# Altium PCB PCB_AirMeter.PcbDoc (continued)
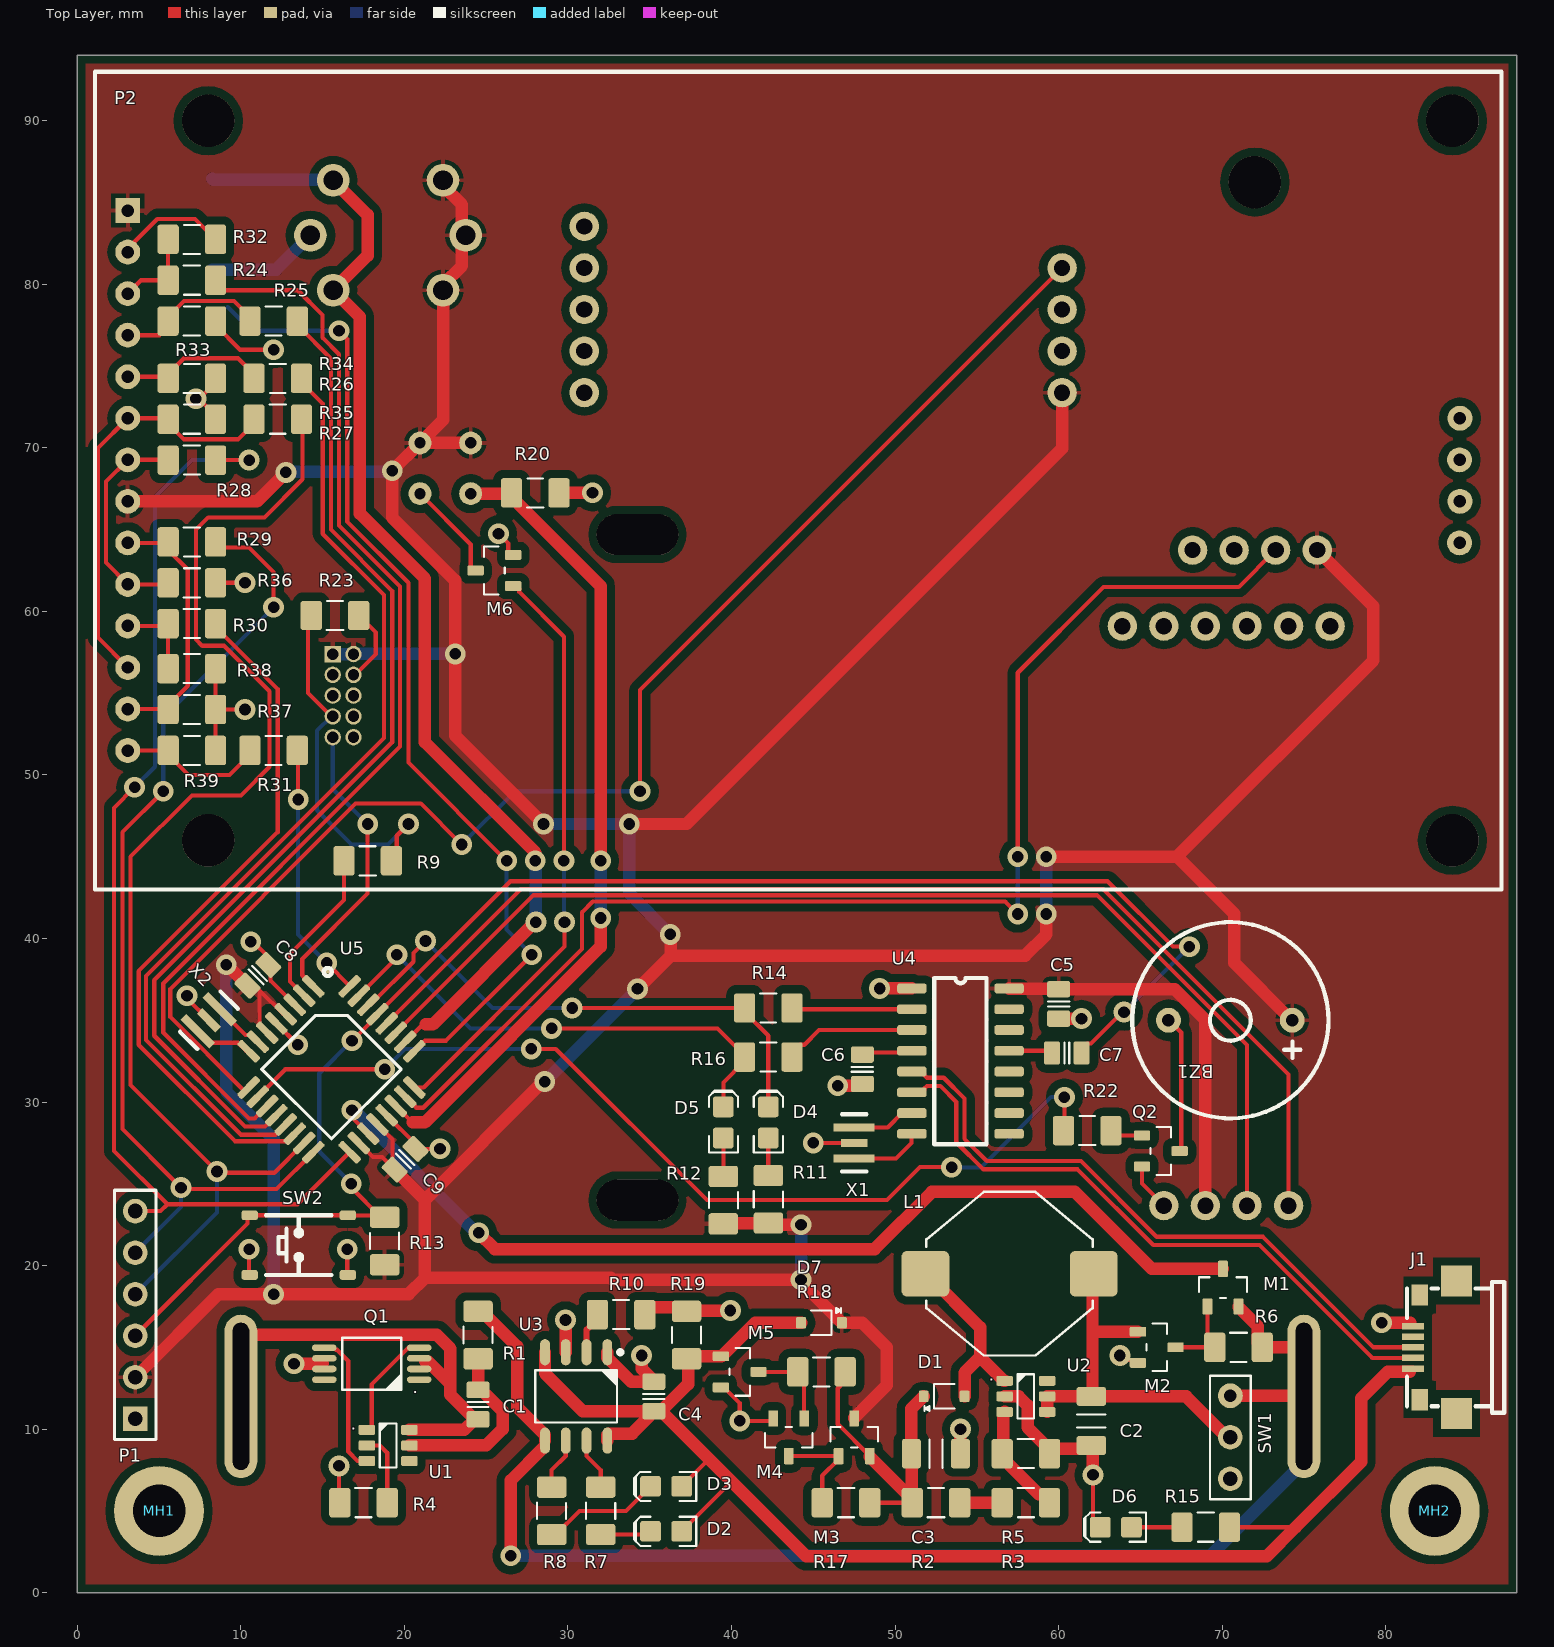
[diagram p0: Top Layer view]
## Footprints (in the part's own frame and the unit in brackets; to place one, negate y for a bottom-side part, rotate by r counter-clockwise, add the part's x,y. Pads: shape width x height; smd on the part's side, far side on the other; paste and mask are expansions set on the pad)
3P_header [mm]
  round 1.5 hole 0.9: 1(0,0) 2(0,2.54)
  round 1.524 hole 0.762: 3(0,5.08)
  silkscreen extent -1.25,-1.25 1.25,6.3
ATMEGA328P-AU [mm]
  rrect50% 1.65x0.45 smd: 1(-4.37,2.8) 2(-4.37,2) 3(-4.37,1.2) 4(-4.37,0.4) 5(-4.37,-0.4) 6(-4.37,-1.2) 7(-4.37,-2) 8(-4.37,-2.8) 17(4.37,-2.8) 18(4.37,-2) 19(4.37,-1.2) 20(4.37,-0.4) 21(4.37,0.4) 22(4.37,1.2) 23(4.37,2) 24(4.37,2.8)
  rrect50% 0.45x1.65 smd: 9(-2.8,-4.37) 10(-2,-4.37) 11(-1.2,-4.37) 12(-0.4,-4.37) 13(0.4,-4.37) 14(1.2,-4.37) 15(2,-4.37) 16(2.8,-4.37) 25(2.8,4.37) 26(2,4.37) 27(1.2,4.37) 28(0.4,4.37) 29(-0.4,4.37) 30(-1.2,4.37) 31(-2,4.37) 32(-2.8,4.37)
  silkscreen extent -4.62,-3.01 3.01,4.3, body extent -4.5,-4.5 4.5,4.5, height 1.01
BAT_18650 [mm]
  oval 10x2 hole 1 slot 9 at 0 deg: 1(0,0) 2(0,-65)
  silkscreen extent -9,-65 9,3, body extent -9.6,-64.85 8.6,0.05, height 18.1
Button_4x4x1.5 [mm]
  rrect50% 1x0.6 smd: 1(-3,1.825) 1(3,1.825) 2(-3,-1.825) 2(3,-1.825)
  silkscreen extent -2,-1.83 2,1.83, body extent -3.2,-2.55 3.2,2.55, height 1.51
BZ_12085 [mil] "Passive Buzzer 12x8.5"
  round 60 hole 30: 1(-149.02,0) 2(149.02,0)
  silkscreen extent -236,-236 236,236, body extent -236,-232 236,240, height 296
CAP_0805 [mm]
  round 0.254 on Mech15: 0(0,0)
  rrect25% 1x1.4 smd: 1(-0.9,0) 2(0.9,0)
  Top Layer pour cut-out: -0.675,0.7 -0.475,0.9 0.475,0.9 0.675,0.7 0.675,-0.7 0.475,-0.9 -0.475,-0.9 -0.675,-0.7
  silkscreen extent -0.15,-0.65 0.15,0.65, body extent -1.1,-0.72 1.1,0.73, height 1.34
CAP_1206 [mm]
  round 0.508 on Mech15: 0(0,0)
  rrect25% 1.15x1.8 smd: 1(-1.5,0) 2(1.5,0)
  silkscreen extent -0.4,-0.88 0.4,0.88, body extent -1.7,-0.9 1.7,0.9, height 1.8
CH340G [mm]
  rrect50% 1.8x0.6 smd: 1(-2.972,4.445) 2(-2.972,3.175) 3(-2.972,1.905) 4(-2.972,0.635) 5(-2.972,-0.635) 6(-2.972,-1.905) 7(-2.972,-3.175) 8(-2.972,-4.445) 9(2.972,-4.445) 10(2.972,-3.175) 11(2.972,-1.905) 12(2.972,-0.635) 13(2.972,0.635) 14(2.972,1.905) 15(2.972,3.175) 16(2.972,4.445)
  silkscreen extent -1.6,-5.08 1.6,5.08, body extent -4.36,-5 4.36,5, height 1.51
DHT22 [mm]
  round 1.8 hole 1: 1(-3.81,-11.25) 2(-1.27,-11.25) 3(1.27,-11.25) 4(3.81,-11.25)
  round 3.2 hole 3.2 unplated: MH(0,11.25)
  silkscreen extent -7.51,-12.75 7.49,14.35, body extent -7.6,-11.58 7.7,14.17, height 7.81
"DS3231 RTC" [mm] "DS3231 RTC"
  round 1.8 hole 1: 1(0,12.7) 2(0,10.16) 3(0,7.62) 4(0,5.08) 5(0,2.54) 6(0,0) 7(-35.433,2.54) 8(-35.433,5.08) 9(-35.433,7.62) 10(-35.433,10.16)
  silkscreen extent -36.7,-4.95 1.27,17.65, body extent -37.23,-4.9 1.27,17.6, height 13.41
HDR1X6 [mm] "Connector; Header; 6 Position"
  rect 1.5x1.5 hole 0.9: 1(0,0)
  round 1.5 hole 0.9: 2(2.54,0) 3(5.08,0) 4(7.62,0) 5(10.16,0) 6(12.7,0)
  silkscreen extent -1.27,-1.27 13.97,1.27
Hole_M3 [mm]
  round 5.5 hole 3.2: MH(0,0)
IND_10x10 [mil]
  round 20 on Mech15: 0(0,0)
  rrect25% 115x110 smd: 1(-202.5,0) 2(202.5,0)
  silkscreen extent -200,-197 200,197, body extent -255,-185 255,185, height 172
LED_0805 [mil]
  round 20 on Mech15: 0(0,0)
  rrect25% 50x50 smd: A(-37.5,0) K(37.5,0)
  Top Layer pour cut-out: -15,30 15,30 15,-30 -15,-30
  silkscreen extent -72,-35 77,35, body extent -39,-25 39,25, height 31
"MH-Z19B CO2 SENSOR" [mm]
  round 1.8 hole 1: 1(0,0) 2(0,29.21) 3(2.54,0) 4(2.54,29.21) 5(5.08,0) 6(5.08,29.21) 7(7.62,0) 8(7.62,29.21) 9(10.16,0)
  silkscreen extent -4.3,-1.27 15.6,30.48, body extent -4.4,-1.35 15.6,30.55, height 11.02
"MP503 VOC SENSOR" [mm]
  round 1.4 hole 0.7: 1(-1.55,1.55) 2(1.55,1.55) 3(-1.55,-1.55) 4(1.55,-1.55)
  silkscreen extent -4.7,-4.7 4.7,4.7, body extent -4.7,-4.7 4.7,5.5, height 8.1
"MQ-131 OZONE SENSOR" [mm]
  round 2 hole 1.2: 1(-3.359,3.359) 2(-4.75,0) 3(-3.359,-3.359) 4(3.359,3.359) 5(4.75,0) 6(3.359,-3.359)
  silkscreen extent -8,-8 8,8, body extent -8,-8 8,8, height 14.01
PMS7003 [mm]
  rect 1x1 hole 0.7: 1(5.215,5.31)
  round 1 hole 0.7: 2(6.485,5.31) 3(5.215,6.58) 4(6.485,6.58) 5(5.215,7.85) 6(6.485,7.85) 7(5.215,9.12) 8(6.485,9.12) 9(5.215,10.39) 10(6.485,10.39)
  oval 5x2.5 hole 2.5 slot 5 at 0 deg unplated: H(23.85,-2) H(23.85,38.7)
  silkscreen extent 0,-0.04 48,37, body extent 0.1,0.15 47.8,36.85, height 11.71
RESC3216X70N [mm] "Chip Resistor, Body 3.2x1.6mm, EIA 1206, IPC Medium Density"
  round 0.508 on Mech15: 0(0,0)
  rrect25% 1.3x1.8 smd: 1(-1.45,0) 2(1.45,0)
  silkscreen extent -0.51,-0.89 0.51,0.89, body extent -1.62,-0.82 1.63,0.83, height 0.69
SOD323 [mm] "SOD-323; 2 Leads; Body 1.8 x 1.35 mm, (LxW)"
  round 0.508 on Mech15: 0(0,0)
  rrect25% 0.6x0.7 smd: A(1.25,0) K(-1.25,0)
  silkscreen extent -1.2,-0.9 0.64,0.75, body extent -1.3,-0.68 1.3,0.68, height 1.1
SOIC127P600X175-8AN [mm] "SOIC, 8-Leads, Body 4.9x3.9mm, Pitch 1.27mm, IPC Medium Density"
  round 1 on Mech15: 0(0,0)
  oval 1.6x0.6 smd: 1(-2.7,1.905) 2(-2.7,0.635) 3(-2.7,-0.635) 4(-2.7,-1.905) 5(2.7,-1.905) 6(2.7,-0.635) 7(2.7,0.635) 8(2.7,1.905)
  silkscreen extent -2.82,-2.5 1.6,2.83, body extent -3,-2.45 3,2.45, height 1.75
SOT23-6 [mm]
  round 0.5 on Mech15: 0(0,0)
  rrect25% 1x0.6 smd: 1(-1.3,0.95) 2(-1.3,0) 3(-1.3,-0.95) 4(1.3,-0.95) 5(1.3,0) 6(1.3,0.95)
  silkscreen extent -0.51,-1.35 0.51,1.35, body extent -1.4,-1.45 1.4,1.45, height 1.44
SOT23_213 [mm]
  round 0.5 on Mech15: 0(0,0)
  rrect25% 1x0.6 smd: 1(-1.15,0.95) 2(-1.15,-0.95) 3(1.15,0)
  silkscreen extent -0.64,-1.46 0.64,1.46, body extent -1.4,-1.45 1.4,1.45, height 1.29
TFT_ILI9341 [mil]
  rect 60x60 hole 30: 1(334.25,78.74)
  round 60 hole 30: 2(434.25,78.74) 3(534.25,78.74) 4(634.25,78.74) 5(734.25,78.74) 6(834.25,78.74) 7(934.25,78.74) 8(1034.25,78.74) 9(1134.25,78.74) 10(1234.25,78.74) 11(1334.25,78.74) 12(1434.25,78.74) 13(1534.25,78.74) 14(1634.25,78.74) 15(1134.25,3285) 16(1034.25,3285.83) 17(934.25,3285) 18(834.25,3285.83)
  round 125.98 hole 125.98 unplated: MH(118.11,3267.72) MH(118.11,272.44) MH(1850.39,3267.72) MH(1850.39,272.44)
  silkscreen extent 0,0 1969,3386
TSSOP65P640X120-8N [mm] "TSSOP, 8 Leads, Body 3.1x4.5mm (max), Pitch 0.65mm, IPC Medium Density"
  round 0.508 on Mech15: 0(0,0)
  oval 1.5x0.4 smd paste-0.051: 1(-2.9,0.975) 2(-2.9,0.325) 3(-2.9,-0.325) 4(-2.9,-0.975) 5(2.9,-0.975) 6(2.9,-0.325) 7(2.9,0.325) 8(2.9,0.975)
  silkscreen extent -1.8,-1.6 1.8,1.6, body extent -3.25,-1.55 3.25,1.55, height 1.19
USB_Micro_TypeB [mm]
  rect 0.4x1.35 smd: 1(-1.3,1.338) 2(-0.65,1.338) 3(0,1.338) 4(0.65,1.338) 5(1.3,1.338)
  rect 1.9x1.9 smd: SH(-4.05,-1.338) SH(4.05,-1.338)
  rect 1.3x1 smd: SH(-3.2,0.913) SH(3.2,0.913)
  silkscreen extent -4,-4.25 4,1.7, body extent -4,-4 4,1.6, height 2.79
XTAL_3.2x1.6 [mm]
  rect 0.5x2.5 smd: 1(-0.95,0) 3(0.95,0)
  rect 0.5x1.6 smd: 2(0,0)
  silkscreen extent -1.75,-0.75 1.75,0.75

## Part data
B1: library part Battery_18650
BZ1: "Buzzer passive 5 VAC"
C1 C4 C7 C8 C9: library part CAP_0.1uF, "SMD 0805"
C2 C3: library part CAP_22uF, "SMD 1206"
C5: library part CAP_10uF, "SMD 0805"
C6: library part CAP_10nF, "SMD 0805"
D1 D7: "Schottky Diode 3A, Vf~0.24V, Vr=10V"
D2: "SMD_0805 2V"
D3: "SMD_0805 3V"
D4 D5 D6: "SMD_0805 2.4V"
M1 M3: library part PMOS
M2 M4 M5 M6 M7: library part NMOS
P1: library part "Header 6", "Header, 6-Pin", LatestRevisionDate=17-Jul-2002, LatestRevisionNote="Re-released for DXP Platform.", Publisher="Altium Limited"
P3: "Real Time Clock"
Q1: "NMOS, Drain-Connected, Imax 6A"
Q2: library part NPN
R1: library part RES_100R, "Resistor SMD, 1206"
R2: library part RES_12K, "Resistor SMD, 1206"
R3: library part RES_2K7, "Resistor SMD, 1206"
R4 R7 R8 R9 R14 R16 R24 R25 R26 R27 R28 R29 R30 R31: library part RES_1K, "Resistor SMD, 1206"
R5 R23 R32 R33 R34 R35 R36 R37 R38 R39: library part RES_2K, "Resistor SMD, 1206"
R6 R13 R17 R18 R19: library part RES_10K, "Resistor SMD, 1206"
R10: library part RES_1K2, "Resistor SMD, 1206"
R11 R12: library part RES_470R, "Resistor SMD, 1206"
R15: library part RES_150R, "Resistor SMD, 1206"
R20: library part RES_100K, "Resistor SMD, 1206"
R21: library part RES_1M, "Resistor SMD, 1206"
R22: library part RES_3K3, "Resistor SMD, 1206"
S1: "VOC Sensor"
S2: "Ozone Sensor"
S3: "CO2 Sensor"
S5: "Particle air sensor. 1um, 2.5um, 10um"
SW1: "Switch 2 position"
U2: "Boost Converter"
X1 X2: "Crystal Oscillator"

## Via types
v1: diameter 1.27, hole 0.711, Top Layer to Bottom Layer, 78 vias

## Nets (pads, with @x,y where several pads share a name; then routed paths per layer and width w, separated by ;. In a path a pad name is that pad's centre, name@x,y a point inside that pad or via, vN(x,y) a via of type N, cw(c..) or ccw(c..) an arc to the next point about the centre after c; other vN are vias at no path point)
3V3: C6.1 U4.4 | length 3.1
  Top Layer w0.254: C6.1 48.118,33.018 50.911,33.018 U4.4
5V: BZ1.1 C5.1 C8.1 C9.1 D7.K M3.3 P1.2 P2.1 P2.8 P3.8 R11.2 R12.1 R13.1 S1.1 S1.3 S2.1 S2.2 S2.3 S3.2 S4.1 S5.1 S5.2 U4.16 U5.4 U5.6 U5.18 U5.20 | length 352.6
  Top Layer w0.254: C8.1 10.853,37.114 11.143,36.823 ; U5.6 11.143,34.699 11.143,36.823 ; U5.4 12.593,35.373 11.143,36.823 ; U5.18 18.083,26.628 18.638,26.628 C9.1@19.261,26.005 ; U5.20 19.261,27.712 C9.1@19.261,26.005 ; C9.1 C9.1@19.261,26.005
  Top Layer w0.762: P2.8 10.98,66.73 v1(12.75,68.5) ; P1.2 8.619,18.25 v1(12,18.25) 20.25,18.25 21.25,19.25 ; v1(9.1,38.4) 9.128,38.4 10.403,37.125 C8.1 ; C9.1 21.25,24.016 ; S2.1 22.359,86.024 23.513,84.869 23.513,83.237 S2.2 23.513,82.763 23.513,81.131 22.359,79.976 S2.3 22.359,71.709 S1.1 ; S1.3 S1.1 ; v1(28.5,47) 23.1,52.4 v1(23.1,57.4) 23.1,61.9 19.25,65.75 v1(19.25,68.6) S1.1 ; v1(28.585,31.25) 28.484,31.25 21.25,24.016 ; v1(33.75,47) 37.25,47 60.21,69.96 S3.2 ; v1(34.25,36.915) 36.289,38.954 ; v1(36.25,40.25) 36.289,40.211 36.289,38.954 ; R12.1 39.525,22.575 42.225,22.575 R11.2 42.4,22.75 42.65,22.5 v1(44.25,22.5) ; M3.3 47.5,10.688 49.5,12.688 49.5,15 48,16.5 D7.K 44.25,19 v1(44.25,19.125) 32.744,19.125 32.619,19.25 21.25,19.25 ; U4.16 56.994,36.923 59.977,36.923 C5.1 67.1,36.9 68.98,35.02 P3.8 ; v1(59.25,41.5) 59.25,40.25 57.954,38.954 36.289,38.954 ; v1(59.25,45) 67.25,45 ; BZ1.1@74.25,35 70.75,38.5 70.75,41.5 67.25,45 ; S4.1 79.25,60.31 79.25,57 67.25,45 ; 21.25,19.25 21.25,24.016
  Bottom Layer w0.762: v1(9.1,38.4) 9.1,30.65 12,27.75 v1(12,18.25) ; v1(12.75,68.5) 12.8,68.55 19.2,68.55 v1(19.25,68.6) ; S5.1 S5.2 16.895,57.4 v1(23.1,57.4) ; v1(28.5,47) v1(33.75,47) 33.75,42.75 v1(36.25,40.25) ; v1(28.585,31.25) v1(34.25,36.915) ; v1(44.25,19.125) v1(44.25,22.5) ; v1(59.25,41.5) v1(59.25,45)
5V_PWR: C3.1 D1.K M3.2 R2.1 R17.1 R18.1 | length 19.6
  Top Layer w0.254: R18.1 47.481,12.969 46.969,12.969 46.5,12.5 46.5,10.3 M3.2 ; R17.1 R2.1@51,5.5 ; R2.1@51.025,5.5 R2.1
  Top Layer w0.762: M3.2 48.45,8.312 R2.1@50.743,6.019 ; R2.1@51.025,5.5 51.025,6.019 51.025,8.475 C3.1 51,11.25 D1.K
5V_USB: C4.1 D2.A D3.A D7.A J1.1 M5.1 R15.1 R19.1 U3.4 U3.8 | length 92.2
  Top Layer w0.254: D2.A 39.977,6.775 40.025,6.775 ; D3.A 38.602,8.15 38.65,8.15 ; 43,3.75 43.025,3.775 ; R15.1 74.5,4
  Top Layer w0.381: J1.1@81.481,13.519 J1.1
  Top Layer w0.762: U3.4 28.595,13.405 30.9,11.1 C4.1@35.3,11.1 ; U3.8 32.405,9.638 32.486,9.719 33.919,9.719 C4.1@35.3,11.1 ; C4.1@35.5,11.1 C4.1@35.3,11.1 ; D7.A 41.438,16.5 39.388,14.45 37.35,14.45 37.35,12.75 35.7,11.1 38.65,8.15 40.025,6.775 43.025,3.775 44.581,2.219 72.719,2.219 74.5,4 78.5,8 78.5,11.881 80.138,13.519 J1.1@81.481,13.519
B+: B1.1 M1.2 R1.1 R6.1 SW1.3 U3.5 | length 85
  Top Layer w0.762: R1.1 24.75,17.2 26.889,15.061 26.889,11.344 28.595,9.638 U3.5 ; v1(26.5,2.25) 26.5,6.867 U3.5@28.514,8.881 ; SW1.3@70.48,12.02 SW1.3 74.96,12.04 B1.1 75,14.428 74.428,15 R6.1 72.181,15.269 72.181,16.281 71,17.462 M1.2
  Bottom Layer w0.762: v1(26.5,2.25) 69.25,2.25 75,8 B1.1
B-: B1.2 C1.2 Q1.2 Q1.3 U1.6 | length 30.7
  Top Layer w0.762: B1.2 10,15.184 10.572,15.756 21.979,15.756 22.808,14.927 22.808,12.771 ; U1.6 23.65,9.95 C1.2@24.3,10.6 ; Q1.3@21.269,14.144 21.435,14.144 22.808,12.771 ; C1.2 C1.2@24.3,10.6 ; 22.808,12.771 22.808,12.092 C1.2@24.3,10.6
  Bottom Layer w0.762: B1.2 10,10.228 B1.2@10.572,9.656
BAT: M1.3 U5.19 | length 61.9
  Top Layer w0.254: v1(16.789,29.5) 16.789,29.053 U5.19
  Top Layer w0.762: v1(24.539,22) 25.534,21.005 48.755,21.005 52.25,24.5 61,24.5 65.7,19.8 M1.3
  Bottom Layer w0.762: v1@16.914,29.5 24.414,22 v1(24.539,22)
BZ: R22.1 U5.10 | length 59.1
  Top Layer w0.254: U5.10 12.711,32 v1(18.789,32) ; v1(27.75,33.25) 29.25,33.25 38.5,24 49.5,24 51.516,26.016 v1(53.457,26.016) ; R22.1 60.356,28.306 v1(60.356,30.296)
  Bottom Layer w0.254: v1(18.789,32) 20.039,33.25 v1(27.75,33.25) ; v1(53.457,26.016) 53.473,26 55.25,26 59.546,30.296 v1(60.356,30.296)
CO2: S3.8 U5.9 | length 86.9
  Top Layer w0.254: U5.9 10.299,30.719 10.16,30.719 5.684,35.196 5.684,36.921 17.013,48.25 21,48.25 v1(23.5,45.75) ; v1(34.4,49) 34.4,55.19 S3.8
  Bottom Layer w0.254: v1(23.5,45.75) 26.75,49 v1(34.4,49)
D_N: J1.2 U4.6 | length 39.1
  Top Layer w0.254: U4.6 51.616,30.595 51.787,30.766 51.787,30.813 51.95,30.976 52.766,30.976 53.742,30 53.742,27.54 55.397,25.885 61.155,25.885 65.79,21.25 72.282,21.25 79.182,14.35 J1.2
D_P: J1.3 U4.5 | length 39.1
  Top Layer w0.254: U4.5 51.616,31.865 51.787,31.694 51.787,31.647 51.95,31.484 52.976,31.484 54.25,30.21 54.25,27.75 55.607,26.393 61.365,26.393 66,21.758 72.492,21.758 79.25,15 J1.3
DHT: S4.2 U5.23 | length 78.2
  Top Layer w0.254: U5.23 20.051,30.324 20.725,29.65 21.15,29.65 30.85,39.35 30.85,41.6 31.516,42.266 56.734,42.266 v1(57.5,41.5) ; v1(57.5,45) 57.5,56.25 62.75,61.5 71.02,61.5 S4.2
  Bottom Layer w0.254: v1(57.5,41.5) v1(57.5,45)
DTR: C7.1 U4.13 | length 2.7
  Top Layer w0.254: U4.13 59.465,33.135 C7.1
EN: C2.1 L1.1 M2.1 SW1.2 U2.4 U2.5 | length 23.5
  Top Layer w0.762: U2.4 U2.5 C2.1 ; L1.1 62.072,19.428 62.072,16 ; M2.1 62.122,15.95 62.072,16 ; SW1.2 70.3,9.5 67.8,12 C2.1 ; C2.1 62.072,12.072 62.072,16
GND: C2.2 C3.2 C4.2 C5.2 C6.2 C8.2 C9.2 D6.K J1.5 M2.2 M4.2 M5.2 M6.2 M7.2 MH1.MH MH2.MH P1.1 P2.2 P3.7 Q1.6 Q1.7 Q2.2 R4.2 R5.1 R10.2 R19.2 R20.2 R21.2 R23.2 R32.2 R33.2 R34.2 R35.2 R36.2 R37.2 R38.2 R39.2 S3.4 S4.4 S5.3 S5.4 SW1.1 SW2.2 U2.2 U3.1 U3.3 U4.1 U5.3 U5.5 U5.21 X1.2 X2.2 | length 97.9
  Top Layer w0.254: P2.2 3.08,82.197 4.883,84 7.2,84 R32.2 R32.2@8.45,82.5 ; v1(6.7,36.5) 6.7,36.339 X2.2 ; v1(7.25,73) v1@7.431,73 ; R39.2 R37.2@8.45,53.75 ; R38.2 R37.2 R37.2@8.45,53.75 ; R36.2@8.45,61.5 8.75,61.8 8.85,61.7 8.9,61.75 v1(10.25,61.75) ; R35.2 8.45,72 7.45,73 v1@7.431,73 ; R34.2 8.45,74.019 v1@7.431,73 ; R33.2 8.45,77.5 9.95,76 v1(12,76) ; v1(10.25,54) 8.7,54 R37.2@8.45,53.75 ; v1(10.5,21) 10.5,19.464 SW2.2@10.539,19.425 ; v1(10.6,39.8) 10.739,39.8 11.676,38.864 C8.2 11.817,38.245 11.817,37.419 U5.3 ; U5.5 v1(13.474,33.5) ; v1(16,7.75) 16,5.55 R4.2 ; v1(16.5,21) 16.5,19.464 SW2.2@16.539,19.425 ; S5.4 16.968,56.12 18.25,57.402 18.25,58.7 R23.2 ; U5.21 C9.2@20.676,27.429 ; C9.2 v1(22.176,27.136) ; v1(25.75,64.75) 26.352,64.148 26.352,63.623 26.525,63.45 M6.2 ; M5.2 39.55,12.55 40.5,11.6 v1(40.5,10.5) 42.4,10.5 M4.2 ; v1(45,27.5) X1.2 ; D6.K@62.099,4.448 D6.K ; D6.K@62.1,4.449 v1(62.1,7.2) ; v1(63.75,14.5) 64.025,14.5 64.302,14.223 64.677,14.223 M2.2 ; Q2.2 65.1,25.007 P3.7
  Top Layer w0.762: v1(13.25,14) 15,14 ; R20.2 v1(31.5,67.25) ; v1(29.851,16.674) 29.865,16.66 U3.3 ; U3.1 32.405,14.362 33.867,12.9 C4.2@35.5,12.9 ; v1(34.5,14.5) 34.5,13.7 C4.2@35.181,13.019 ; R10.2 34.7,17.181 34.969,17.45 R19.2@36.75,17.45 ; R19.2@37.5,17.2 37.525,17.225 39.906,17.225 v1(39.931,17.25) ; v1(46.5,31) 47.9,31 C6.2 ; v1(49.055,36.945) U4.1 ; C3.2 v1(54,10) ; U2.2 57.554,12 58.103,11.45 58.103,10.097 59.45,8.75 R5.1@59.45,8.537 ; R5.1 R5.1@59.45,8.537 ; C5.2 v1(61.4,35.1) ; v1(62.1,7.2) 62.1,8.9 C2.2 61.806,8.806 59.719,8.806 R5.1@59.45,8.537 ; v1(79.75,16.5) 81.5,16.5
MISO: P1.5 R29.1 U5.16 | length 61.4
  Top Layer w0.254: v1(5.25,49) 2.75,46.5 2.75,28.352 6.102,25.001 v1@6.102,24.687 ; v1@6.336,24.687 12.186,24.687 U5.16 ; R29.1@8.45,64 8.45,63.91 10.49,63.91 12,62.4 v1(12,60.25)
  Bottom Layer w0.254: P1.5 6.336,23.587 v1(6.336,24.766) ; v1(5.25,49) 5.25,53.5 v1(12,60.25)
MOSI: P1.4 R27.1 U5.15 | length 76.5
  Top Layer w0.254: v1@8.539,25.672 12.039,25.672 U5.15 ; v1(8.539,25.75) 3.25,31.039 3.25,45 7,48.75 10,48.75 11.75,50.5 11.75,55.117 8.967,57.9 7.633,57.9 7.25,58.283 7.25,65 8,65.75 11.437,65.75 13.766,68.079 13.766,71.684 R27.1
  Bottom Layer w0.254: P1.4 8.539,23.25 v1(8.539,25.75)
NetBZ1_2: BZ1.2 Q2.3 | length 8.4
  Top Layer w0.254: BZ1.2@66.75,35 67.5,34.25 67.5,27.1 Q2.3
NetC1_1: C1.1 R1.2 U1.5 | length 11.2
  Top Layer w0.762: U1.5 25,9 26,10 26,11.1 24.7,12.4 C1.1 R1.2
NetD1_A: D1.A L1.2 U2.1 | length 11.4
  Top Layer w0.762: L1.2 51.92,19.5 55.206,16.214 55.206,14.406 ; D1.A 54.25,13.45 55.206,14.406 ; U2.1 56.662,12.95 55.206,14.406
NetD2_K: D2.K R7.2 | length 3.1
  Top Layer w0.254: R7.2 34.848,3.55 D2.K
NetD3_K: D3.K R8.2 | length 7.3
  Top Layer w0.254: R8.2 29.25,3.55 30.7,5 33.547,5 D3.K
NetD4_A: D4.A R11.1 | length 2.3
  Top Layer w0.254: R11.1 D4.A
NetD5_A: D5.A R12.2 | length 2.3
  Top Layer w0.254: R12.2 D5.A
NetD6_A: D6.A R15.2 | length 3.1
  Top Layer w0.254: D6.A R15.2
NetM1_1: M1.1 M2.3 R6.2 | length 5.1
  Top Layer w0.254: M2.3 R6.2 69.1,15.45 M1.1
NetM3_1: M3.1 M4.3 R17.2 | length 6.3
  Top Layer w0.254: M4.3 M3.1 46.55,8.15 45.55,7.15 R17.2
NetM4_1: M4.1 M5.3 R18.2 | length 6
  Top Layer w0.254: M5.3 R18.2 44.43,13.12 44.43,10.67 M4.1
  Top Layer w0.762: R18.2@43.781,13.769 43.781,13.519 R18.2@44,13.3
NetM6_3: M6.3 S1.2 | length 6.2
  Top Layer w0.254: S1.2 24.052,64.098 24.052,62.673 24.225,62.5 M6.3
NetM7_3: M7.3 S2.5 | length 6.9
  Bottom Layer w0.762: M7.3 12.15,80.9 S2.5
NetP2_3: P2.3 R24.2 R32.1 | length 5.3
  Top Layer w0.254: P2.3 3.9,80.25 5.355,80.25 5.55,80.055 R24.2 R32.1@5.55,82.5
NetP2_4: P2.4 R25.2 R33.1 | length 9.6
  Top Layer w0.254: P2.4 5.03,76.89 5.55,77.41 R33.1@5.55,78 ; R33.1 R33.1@5.55,78 ; R25.2 10.55,78 9.573,78.977 6.527,78.977 R33.1@5.55,78
NetP2_5: P2.5 R26.2 R34.1 | length 9
  Top Layer w0.254: P2.5 5.45,74.35 R34.1 ; R34.1@5.55,74.35 5.55,74.5 6.527,75.477 9.823,75.477 10.8,74.5 R26.2
NetP2_6: P2.6 P2.12 R27.2 R35.1 | length 25.8
  Top Layer w0.254: P2.12 1.25,58.4 1.25,69.98 P2.6 5.49,71.81 R35.1 5.55,71.5 6.527,70.523 9.823,70.523 10.8,71.5 R27.2
NetP2_7: P2.7 P2.10 R28.2 R36.1 | length 13.7
  Top Layer w0.254: R36.1@5.55,61.5 5.4,61.65 P2.10 1.75,62.98 1.75,67.94 P2.7 5.53,69.27 R28.2
NetP2_9: P2.9 P2.13 R29.2 R37.1 | length 16
  Top Layer w0.254: P2.13 5.52,54.03 R37.1 5.55,54.25 6.75,55.45 6.75,62.55 5.55,63.75 5.55,64 5.36,64.19 P2.9
NetP2_11: P2.11 R30.2 R38.1 | length 5
  Top Layer w0.254: P2.11 5.44,59.11 5.55,59 R38.1
NetP2_14: P2.14 R31.2 R39.1 | length 9
  Top Layer w0.254: P2.14 5.54,51.49 R39.1 5.55,51.25 6.8,50 9.3,50 10.55,51.25 R31.2
NetQ1_4: Q1.4 U1.1 | length 6.8
  Top Layer w0.254: U1.1 17.825,9.95 17.998,10.123 17.998,12.718 20.227,14.947 20.872,14.947 Q1.4
NetQ1_5: Q1.5 U1.3 | length 8.7
  Top Layer w0.254: Q1.5 15.69,14.975 15.813,14.852 15.868,14.852 16.563,14.157 16.563,8.623 17.137,8.05 U1.3
NetQ2_1: Q2.1 R22.2 | length 2
  Top Layer w0.254: R22.2 63.5,27.95 Q2.1
NetR2_2: R2.2 R3.2 | length 2.6
  Top Layer w0.762: R2.2 R3.2
NetR3_1: R3.1 R5.2 U2.3 | length 7
  Top Layer w0.762: U2.3 56.625,10.975 56.625,8.575 R5.2 56.55,8.25 58.781,6.019 59.181,6.019 59.45,5.75 R3.1
NetR4_1: R4.1 U1.2 | length 4.5
  Top Layer w0.254: U1.2 18.5,9 18.95,8.55 R4.1
NetR7_1: R7.1 U3.7 | length 3.2
  Top Layer w0.254: U3.7 31.135,8.365 32,7.5 R7.1
NetR8_1: R8.1 U3.6 | length 3.2
  Top Layer w0.254: R8.1 29,7.5 29.865,8.365 U3.6
NetR9_2: R9.2 R23.1 S5.7 | length 22.8
  Top Layer w0.254: R23.1 14.112,59.562 14.112,55 15.532,53.58 S5.7 ; R9.2 19.532,45.082 19.532,46.282 v1(20.25,47)
  Bottom Layer w0.254: S5.7 15.532,53.58 14.658,52.706 14.658,47.842 16.75,45.75 19,45.75 v1(20.25,47)
NetR10_1: R10.1 U3.2 | length 2.6
  Top Layer w0.381: U3.2 31.135,16.085 31.8,16.75 R10.1
O3: R21.1 S2.4 S2.6 U5.26 | length 70.7
  Top Layer w0.254: U5.26 21.118,34.75 21.289,34.75
  Top Layer w0.762: S2.4 17.75,84.25 17.75,81.75 S2.6 17.27,78.012 17.27,65.98 21.25,62 21.25,52 28,45.25 v1(28,44.75) ; 21.289,34.75 21.743,34.75 27.993,41 v1(28.039,41)
  Bottom Layer w0.762: R21.1 8.296,86.404 15.596,86.404 S2.4 ; v1(28,44.75) 28.02,44.73 28.02,41.02 v1(28.039,41)
O3_EN: M7.1 U5.25 | length 59.9
  Top Layer w0.254: v1(16,77.158) 16.5,76.658 16.5,65.5 20.25,61.75 20.25,50.75 v1(26.25,44.75) ; U5.25 21.249,33.75 22.539,33.75 v1@27.519,38.73 ; v1@27.539,39 v1(27.789,39)
  Bottom Layer w0.254: M7.1 10.642,77.158 v1(16,77.158) ; v1(26.25,44.75) 26.25,40.539 v1(27.789,39)
PMS_RX: R9.1 U5.2 | length 10
  Top Layer w0.254: U5.2 13,37.368 13,39.05 16.3,42.35 R9.1
PMS_TX: S5.9 U5.1 | length 18.1
  Top Layer w0.254: U5.1 13.75,37.749 13.75,38.75 17.75,42.75 v1(17.75,47)
  Bottom Layer w0.254: S5.9 15.615,49.135 v1(17.75,47)
RST: C7.2 P1.3 R13.2 SW2.1 U5.29 | length 98
  Top Layer w0.254: P1.3 10.394,22.565 10.394,23.075 10.539,23.075 16.539,23.075 16.546,23.068 R13.2@18.421,23.068 ; v1(16.75,25.004) 16.75,24.758 18.558,22.95 R13.2 ; v1@16.815,33.75 18.346,35.282 U5.29 26.474,43.5 63,43.5 67,39.5 v1(68,39.5) ; C7.2 61.4,33.2 61.773,33.573 61.973,33.573 63.9,35.5 v1(64,35.5)
  Bottom Layer w0.254: v1(16.75,25.004) 14.789,26.965 14.789,31.75 v1(16.789,33.75) ; v1(64,35.5) v1(68,39.5)
RXD: D4.K R14.2 U5.30 | length 33.3
  Top Layer w0.254: U5.30 17.834,35.992 17.968,35.992 20.555,38.579 20.555,39.115 v1(21.289,39.849) ; v1(30.25,35.75) R14.2 40.8,35.5 42.25,34.05 D4.K
  Bottom Layer w0.254: v1(21.289,39.849) 25.388,35.75 v1(30.25,35.75)
RXU: R16.1 U4.3 | length 8.1
  Top Layer w0.254: R16.1 43.7,32.981 44.22,33.501 44.451,33.501 45.355,34.405 U4.3
SCK: P1.6 R28.1 U5.17 | length 69.2
  Top Layer w0.254: v1(3.5,49.25) 2.238,47.988 2.238,27.012 5.5,23.75 ; P1.6 5.08,23.33 5.5,23.75 ; R28.1@8.45,69 R28.1 v1(10.5,69.25) ; U5.17 13.469,23.75 5.5,23.75
  Bottom Layer w0.254: v1(3.5,49.25) 4.75,50.5 4.75,67 7,69.25 v1(10.5,69.25)
SCL: P3.10 U5.28 | length 71.3
  Top Layer w0.254: U5.28 27.133,43.028 62.722,43.028 74.06,31.69 P3.10
SDA: P3.9 U5.27 | length 69.1
  Top Layer w0.254: U5.27 27.883,42.647 62.353,42.647 71.52,33.48 P3.9
TFT_CS: R24.1 U5.11 | length 68.2
  Top Layer w0.254: R24.1 8.45,80.16 8.97,79.639 13.478,79.639 14.984,78.133 14.984,76.738 16,75.722 16,65.25 19.734,61.516 19.734,51.734 5.25,37.25 5.25,34.25 10.5,29 10.842,29 U5.11
TFT_DC: R26.1 U5.13 | length 59.8
  Top Layer w0.254: U5.13 12.105,28 10,28 4.2,33.8 4.2,37.7 18.75,52.25 18.75,61 15,64.75 15,72.7 13.7,74 R26.1
TFT_RST: R25.1 U5.12 | length 62.2
  Top Layer w0.254: U5.12 11.474,28.5 10.25,28.5 4.7,34.05 4.7,37.45 19.25,52 19.25,61.25 15.5,65 15.5,75.45 13.45,77.5 R25.1
TS_CS: R30.1 U5.14 | length 43
  Top Layer w0.254: R30.1@8.35,59.15 12.25,55.25 12.25,46.5 3.75,38 3.75,33.5 9.646,27.604 12.841,27.604 U5.14
TS_IRQ: R31.1 U5.32 | length 15.8
  Top Layer w0.254: R31.1 13.5,51.45 v1(13.5,48.5) ; v1(15.25,38.5) 15.252,38.5 16.649,37.103 U5.32
  Bottom Layer w0.254: v1(13.5,48.5) 13.5,40.25 v1(15.25,38.5)
TXD: D5.K R16.2 U5.31 | length 30.9
  Top Layer w0.254: U5.31 19.539,38.828 v1(19.539,39) ; v1(29,34.5) 39.14,34.5 40.8,32.84 R16.2 40.8,32.5 39.5,31.2 D5.K
  Bottom Layer w0.254: v1(19.539,39) 24.039,34.5 v1(29,34.5)
TXU: R14.1 U4.2 | length 7.4
  Top Layer w0.254: R14.1 43.775,35.675 U4.2
VOC: R20.1 S1.4 U5.22 | length 49.7
  Top Layer w0.254: U5.22 19.492,29.758 20.5,28.75
  Top Layer w0.762: 20.5,28.75 21.25,28.75 32,39.5 v1(32,41.25) ; S1.4 R20.1@26.3,67.2 ; R20.1 26.55,67 32,61.55 v1(32,44.75)
  Bottom Layer w0.762: v1(32,41.25) v1(32,44.75)
VOC_EN: M6.1 U5.24 | length 36.2
  Top Layer w0.254: U5.24 21.179,30.89 29.789,39.5 v1(29.789,41) ; M6.1 26.85,61.55 27.023,61.377 27.023,61.177 29.75,58.45 v1(29.75,44.75)
  Bottom Layer w0.254: v1(29.75,44.75) 29.75,41.039 v1(29.789,41)
XI: U4.7 X1.1 | length 3.9
  Top Layer w0.254: X1.1 49.553,28.45 50.428,29.325 U4.7
XO: U4.8 X1.3 | length 4.5
  Top Layer w0.254: X1.3 50.05,26.55 51,27.5 51,28.027 U4.8
XTAL1: U5.8 X2.3 | length 3.6
  Top Layer w0.254: X2.3 8.075,33.621 9.82,33.621 10.331,33.11 U5.8
XTAL2: U5.7 X2.1 | length 3.2
  Top Layer w0.254: X2.1 10.283,34.1 10.611,34.1 U5.7
pads on no net: C1.0 C2.0 C3.0 C4.0 C5.0 C6.0 C7.0 C8.0 C9.0 D1.0 D2.0 D3.0 D4.0 D5.0 D6.0 D7.0 J1.4 J1.SH L1.0 M1.0 M2.0 M3.0 M4.0 M5.0 M6.0 M7.0 P2.15 P2.16 P2.17 P2.18 P2.MH P3.1 P3.2 P3.3 P3.4 P3.5 P3.6 Q1.0 Q1.1 Q1.8 Q2.0 R1.0 R2.0 R3.0 R4.0 R5.0 R6.0 R7.0 R8.0 R9.0 R10.0 R11.0 R12.0 R13.0 R14.0 R15.0 R16.0 R17.0 R18.0 R19.0 R20.0 R21.0 R22.0 R23.0 R24.0 R25.0 R26.0 R27.0 R28.0 R29.0 R30.0 R31.0 R32.0 R33.0 R34.0 R35.0 R36.0 R37.0 R38.0 R39.0 S3.1 S3.3 S3.5 S3.6 S3.7 S3.9 S4.3 S4.MH S5.5 S5.6 S5.8 S5.10 S5.H U1.0 U1.4 U2.0 U2.6 U3.0 U4.9 U4.10 U4.11 U4.12 U4.14 U4.15

## Polygon pours and split planes (outlines as drawn)
GND on Bottom Layer "Bottom Layer-No Net" (solid, pour order 2): 0.5,93.5 87.5,93.5 87.5,0.5 0.5,0.5
5V on Top Layer "Top Layer-No Net" (solid, remove dead copper, pour order 0): 0.5,93.5 0.5,0.5 87.5,0.5 87.5,93.5

## Silkscreen, mask and mechanical layers (free items; w line width, h text height)
Mechanical 1:
  the board outline again, w0.254

## Text inside footprints (layer, text, board x,y; h text height)
P3: Bottom Overlay "SCL" at 73.9,25.6 h1.2 r270; Bottom Overlay "SDA" at 70.9,25.6 h1.2 r270; Bottom Overlay "VCC" at 68.4,25.6 h1.2 r270; Bottom Overlay "GND" at 65.9,25.6 h1.2 r270; Bottom Overlay "GND" at 63.4,54.1 h1.2 r270; Bottom Overlay "VCC" at 65.9,54.1 h1.2 r270; Bottom Overlay "SDA" at 68.4,54.1 h1.2 r270; Bottom Overlay "SCL" at 70.9,54.1 h1.2 r270; Bottom Overlay "SQW" at 73.4,54.1 h1.2 r270; Bottom Overlay "32K" at 75.9,54.1 h1.2 r270
S1: Bottom Overlay "2" at 19.85,67.6 h1 r90; Bottom Overlay "1" at 19.85,70.6 h1 r90; Bottom Overlay "3" at 26.35,70.6 h1 r90; Bottom Overlay "4" at 26.35,67.6 h1 r90
S2: Bottom Overlay "4" at 14.35,86.15 h1.2; Bottom Overlay "5" at 12.85,82.65 h1.2; Bottom Overlay "6" at 14.35,79.15 h1.2; Bottom Overlay "3" at 24.85,79.15 h1.2; Bottom Overlay "2" at 25.85,82.65 h1.2; Bottom Overlay "1" at 24.35,86.15 h1.2
S4: Bottom Overlay "VCC" at 76.16,68.35 h1 r90; Bottom Overlay "DATA" at 73.66,69.35 h1 r90; Bottom Overlay "GND" at 68.66,68.35 h1 r90; Bottom Overlay "NC" at 71.16,67.35 h1 r90